# Altium PCB Clock-v1.0.PcbDoc (part 2 of 2)
Units mil, origin at the board's own origin, x right, y up, seen from the top; angles counter-clockwise.
Board outline 3346.46 x 2559.06 mil, 2 copper layers (Top Layer, Bottom Layer), stack 57 mil thick; 99 components, 70 nets, 399 pads, 171 vias.
Unrouted connection lines stored in the file: 143.
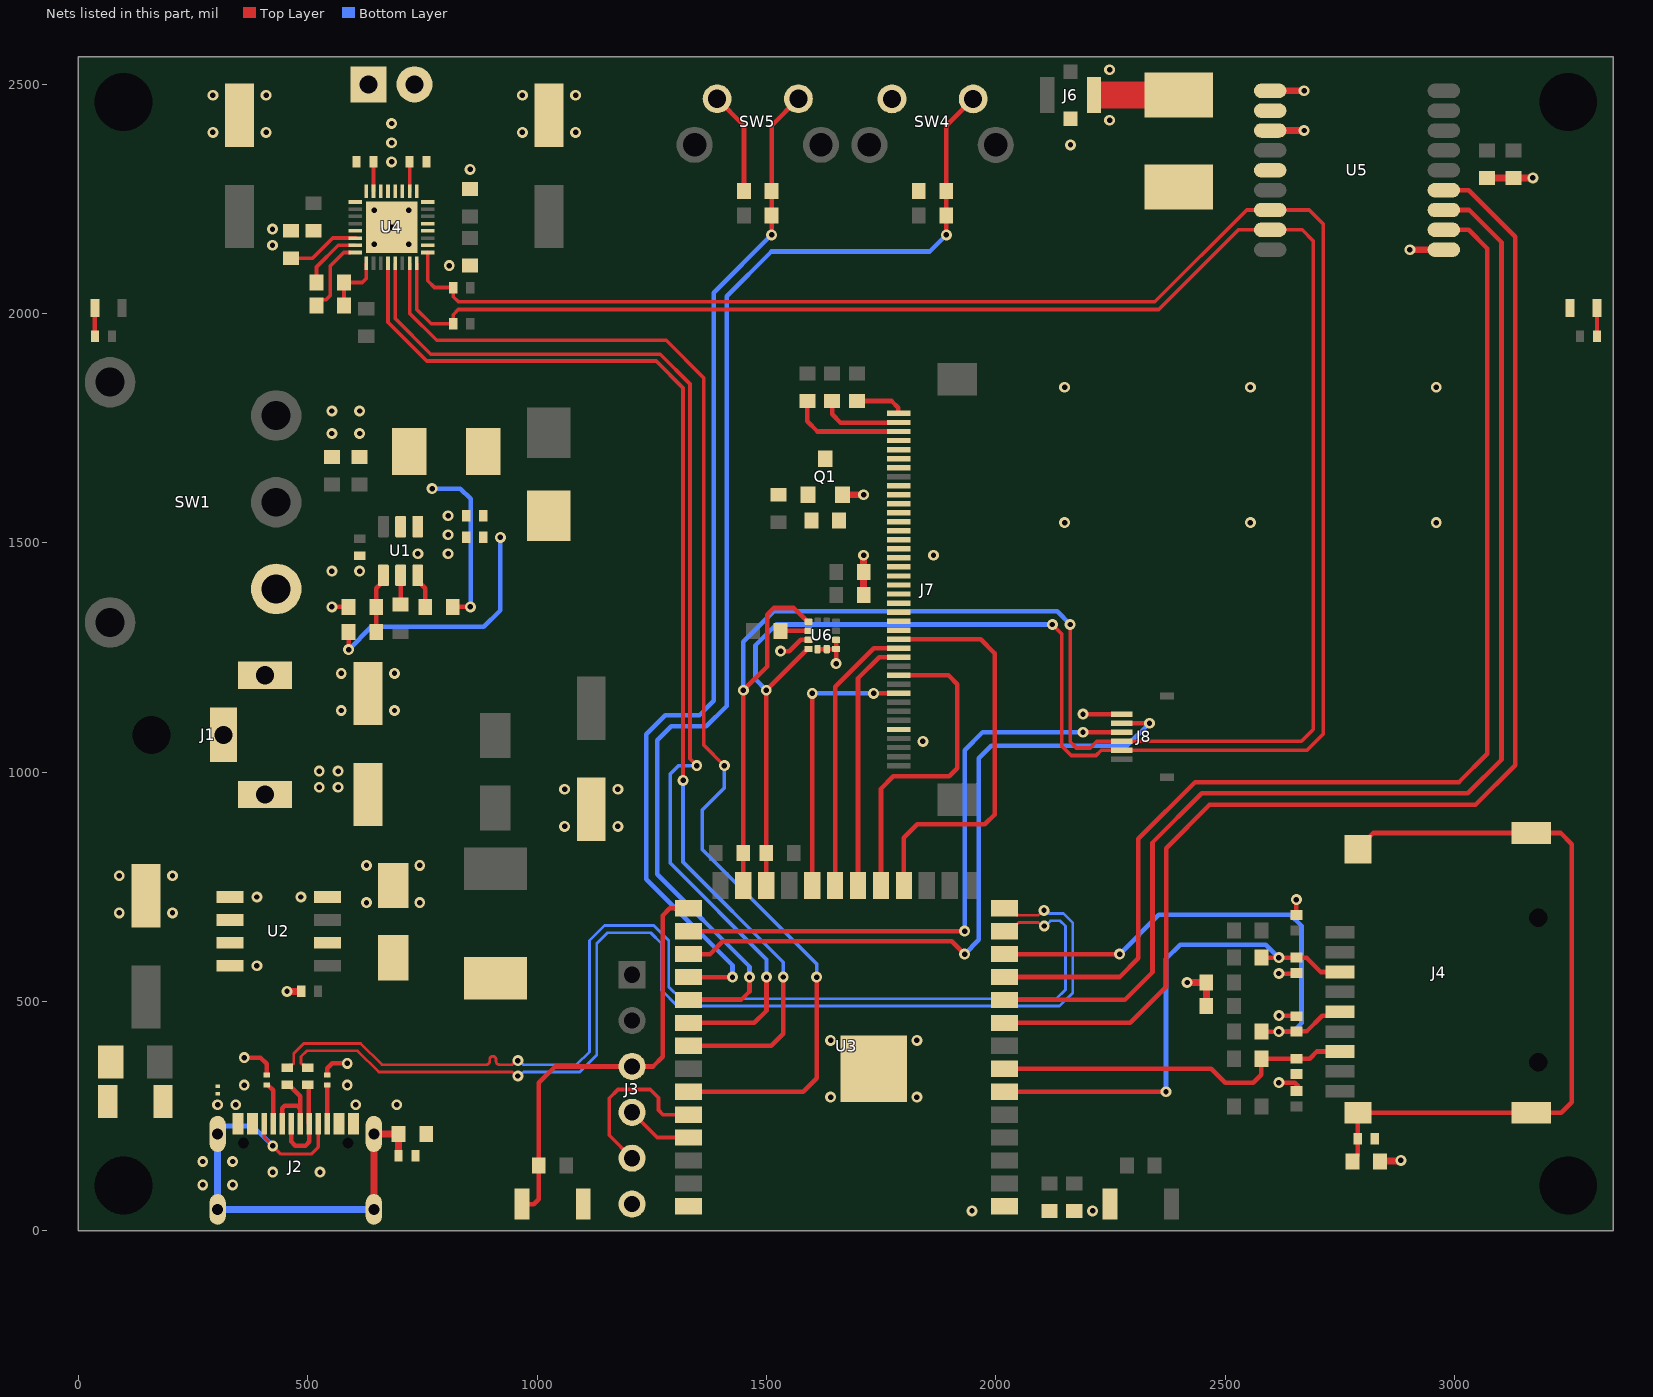
[diagram p2: the nets of this part, all layers, seen from the top]

## Via types
v1: diameter 23.62, hole 11.81, Top Layer to Bottom Layer, 171 vias

## Nets (pads, with @x,y where several pads share a name; then routed paths per layer and width w, separated by ;. In a path a pad name is that pad's centre, name@x,y a point inside that pad or via, vN(x,y) a via of type N, cw(c..) or ccw(c..) an arc to the next point about the centre after c; other vN are vias at no path point) (continued)
GND: C2.2 C3.1 C4.1 C5.1 C6.1 C7.2 C8.1 C9.1 C10.2 C11.1 C12.1 C13.1 C14.2 C16.2 C18.2 C21.2 C22.2 C23.1 C24.1 C25.1 C26.2 C27.2 C28.1 C29.1 C30.1 C31.1 C32.2 D1.2 D2.2 D5.2 D6.2 D7.2 D8.2 D9.2 J1.2 J1.3 J2.A1/B12 J2.B1/A12 J3.6 J6.2 J7.5 J7.16 J7.17 J7.18 J7.19 J7.20 J7.21 J7.22 J7.23 J7.24 J7.25 J7.26 J7.27 J7.28 J7.29 J7.30 J7.31 J7.32 J7.37 J8.6 LED2.2 Q1.2 R3.1 R6.1 R7.1 R8.1 R29.1 R31.2 SW2.1 SW3.1 SW4.2 SW5.2 U1.1 U2.4 U2.5 U2.6 U2.7 U2.8 U3.1 U3.40 U3.41 U4.10 U4.12 U4.13 U4.19 U4.20 U4.21 U4.22 U4.29 U4.33 U5.1 U5.10 U5.12 U6.3 U6.5 U6.6 U6.7 U6.8 | length 1435.9
  Top Layer w10: v1(361.59,377.6) 396.98,377.6 410.8,363.77 R6.1@410.8,339.65 ; R7.1@542.69,339.65 542.69,354.41 553.3,365.01 v1(586,365.01) ; v1(552.5,1360.2) R3.1@589,1360.2 ; SW5.2@1392.45,2467.88 1451.04,2409.3 C29.1@1451.04,2266.88 ; v1(1530.7,1263.67) 1549.94,1263.67 1574.45,1288.18 U6.3@1591.62,1288.18 ; U6.5@1611.6,1268.2 1651.56,1268.2 U6.7@1651.86,1268.49 ; v1(1651.86,1236.58) U6.7@1651.86,1268.49 ; U6.8@1651.86,1288.18 U6.7@1651.86,1268.49 ; v1(2190,1126.3) J8.6@2274.48,1126.3 ; v1(2617.14,323) 2651.75,323 2659.68,315.08 ; v1(2617.38,469.03) 2618.08,468.33 2654.58,468.33 D7.2@2655.28,467.64 ; v1@2617.38,560.69 2653.87,560.69 D6.2@2655.28,562.09 ; D5.2@2655.28,688.11 v1(2655.28,722)
  Top Layer w15: v1(454.72,522) C9.1@485.5,522 ; Q1.2@1665.4,1604.69 v1(1711.86,1604.69) ; C26.2@1711.86,1385.86 v1(1711.86,1472.8) ; v1(2417,541.31) C31.1@2459,541.31 C30.1@2459,490.31 ; U5.12@2598,2398.66 v1(2672,2398.66) ; U5.10@2598,2485.27 v1(2672,2485.27) ; C32.2@2836.2,153.48 C32.2@2837.44,152.25 ; C32.2@2837.8,151 2837.8,151.89 C32.2@2837.44,152.25 ; v1(2883,153.5) 2881.75,152.25 C32.2@2837.44,152.25 ; v1(2902.85,2138.82) U5.1@2976.85,2138.82 ; C25.1@3071,2295.35 C24.1@3129,2295.35 v1(3171,2295.35)
  other v1: 1948,43.2 2211,43.2 271.04,100 336,100 271.04,151 336,151 303.52,274.77 343,274.77 604.59,274.77 694.07,274.77 1639.72,291.41 1828,291.41 1639.72,415 1828,415 2617.14,560.94 389,577.66 89,693 205,693 628,715.5 744,715.5 389,727.66 485.01,727.66 89,774 205,774 628,796.5 744,796.5 1060,881.53 1176,881.53 1060,962.53 1176,962.53 1841,1066.93 573,1134.2 689,1134.2 573,1215.2 689,1215.2 552.5,1438.2 613,1438.2 1864.19,1472.8 740,1476 806,1476 806,1517.41 2150,1544 2555,1544 2960,1544 806,1558.83 552.5,1738.21 613,1738.21 552.5,1787.18 613,1787.18 2150,1839 2555,1839 2960,1839 808.57,2104.18 423,2148.43 645,2150.61 720.24,2150.61 423,2183.87 682.62,2187.8 645,2225 720.24,2225 854,2314 682.62,2330.36 2162.81,2367.29 682.62,2372.18 293,2394.66 409,2394.66 968,2394.66 1084,2394.66 682.62,2414 2248,2421 293,2475.66 409,2475.66 968,2475.66 1084,2475.66 2248,2531
INT: J8.4 U3.28 | length 1355.3
  Top Layer w10: U3.28@1330.32,653.2 v1(1931.89,653.2) ; v1(2190,1086.93) J8.4@2274.79,1086.93
  Bottom Layer w10: v1(1931.89,653.2) 1931.89,1047.76 1971.06,1086.93 v1(2190,1086.93)
IO0: J3.3 R10.1 SW3.2 U3.27 | length 959.9
  Top Layer w10: SW3.2@966.68,58.2 992.91,58.2 1003.61,68.9 R10.1@1003.61,142.2 1003.61,322.33 1039.49,358.2 J3.3@1207,358.2 1252.67,358.2 1273.54,379.08 1273.54,687.37 1289.37,703.2 U3.27@1330.32,703.2
IPPS: U3.9 U5.4 | length 2872.6
  Top Layer w10: U3.9@2019.29,453.2 2292.86,453.2 2371.51,531.85 2371.51,833.97 2465.89,928.35 3045.82,928.35 3132.33,1014.85 3132.33,2167.36 3030.94,2268.74 U5.4@2976.85,2268.74
LRCLK: U3.33 U4.4 | length 2546.5
  Top Layer w8: U4.4@674.75,2109.06 674.75,1980.71 759.29,1896.16 1259.41,1896.16 1318.09,1837.48 v1(1318.09,981.78)
  Top Layer w10: U3.33@1330.32,403.2 1510.2,403.2 1536.39,429.39 v1(1536.39,553.19)
  Bottom Layer w8: v1(1318.09,981.78) 1318.09,803.91 1536.39,585.6 v1(1536.39,553.19)
MCLK: U3.32 U4.5 | length 2509.7
  Top Layer w8: U4.5@690.5,2109.06 690.5,1988.75 768.08,1911.16 1268.2,1911.16 1333.09,1846.27 1333.09,1029.02 v1(1348.09,1014.02)
  Top Layer w10: U3.32@1330.32,453.2 1473.2,453.2 1500,480 v1(1500,553)
  Bottom Layer w8: v1(1348.09,1014.02) 1308.02,1014.02 1290,996 1290,801.64 1500,591.64 v1(1500,553)
MISO: D8.1 J4.7 R14.2 U3.7 | length 791.6
  Top Layer w10: U3.7@2019.29,353.2 2469.57,353.2 2499.78,323 2561.61,323 2579,340.39 R14.2@2579,375.07 D8.1@2655.28,375.07 2684.07,375.07 2699.87,390.87 J4.7@2749.93,390.87
MOSI: D6.1 J4.3 R12.2 U3.6 | length 1094
  Top Layer w10: U3.6@2019.29,303.2 v1(2371,303.2) ; R12.2@2579,595.56 v1(2617.14,595.56) D6.1@2655.28,595.56 ; D6.1@2657.29,595.55 2657.84,595 2677.41,595 2708.31,564.09 J4.3@2749.93,564.09
  Bottom Layer w10: v1(2371,303.2) 2371,592.76 2402.16,623.92 2588.78,623.92 v1(2617.14,595.56)
NetC1_1: C1.1 U1.6 | length 75.6
  Top Layer w10: U1.6@739.8,1428.91 739.8,1417.09 746.62,1410.28 756,1400.9 C1.1@756,1360
NetC1_2: C1.2 L1.1 U1.2 | length 367.6
  Top Layer w10: C1.2@816,1360 v1(854.36,1360)
  Bottom Layer w10: v1(771,1618) 832.71,1618 855,1595.71 855,1360.64 v1(854.36,1360)
NetC3_2: C3.2 C4.2 D3.1 L1.2 R2.2 | length 563.5
  Top Layer w10: v1(589,1267) R2.2@589,1305.2
  Bottom Layer w10: v1(589,1267) 638.61,1316.61 884,1316.61 919.77,1352.38 v1(919.77,1511.58)
NetC14_1: C14.1 U4.30 | length 159.2
  Top Layer w8: C14.1@463,2120 510.49,2120 554.68,2164.18 U4.30@603.88,2164.18
NetC15_1: C15.1 C17.1 U4.1 | length 135.1
  Top Layer w8: C17.1@579,2017.32 C15.1@579,2067.32 618.65,2067.32 627.5,2076.18 U4.1@627.5,2109.06
NetC15_2: C15.2 U4.31 | length 138.2
  Top Layer w8: C15.2@519,2067.32 519,2100.97 566.46,2148.43 U4.31@603.88,2148.43
NetC17_2: C17.2 U4.32 | length 160.5
  Top Layer w8: C17.2@519,2017.32 519,2018.91 530,2029.91 539.88,2029.91 548.95,2038.98 548.95,2103.31 578.27,2132.62 U4.32@593.12,2132.62
NetC19_1: C19.1 U4.23 | length 63.8
  Top Layer w8: U4.23@643.25,2266.54 C19.1@643.25,2330.36
NetC20_1: C20.1 U4.18 | length 63.8
  Top Layer w8: U4.18@721.99,2266.54 C20.1@721.99,2330.36
NetC32_1: C32.1 J4.S1 J4.S2 J4.S3 J4.S4 R31.1 | length 1642.3
  Top Layer w10: C32.1@2777.8,151 2777.8,153.5 2789.3,165 R31.1@2789.3,201 J4.S1@2789.3,257.01 J4.S2@3167.25,257.01 3232.79,257.01 3255.9,280.11 3255.9,842.94 3231.59,867.24 J4.S3@3167.25,867.24 2822.76,867.24 2789.3,833.78 J4.S4@2789.3,831.81
NetD1_1: D1.1 F1.1 J2.A4/B9 J2.B4/A9
  other v1: 423.64,128 526.59,128 361.59,317.69 586,317.69
NetD2_1: D2.1 L2.1 U2.2
NetF1_2: F1.2 FB1.1
NetJ2_A5: J2.A5 R6.2 | length 88.9
  Top Layer w10: R6.2@413.09,317.69 424.58,306.19 J2.A5@424.58,233.5
NetJ2_A6: J2.A6 J2.B6 R5.1 | length 210.8
  Top Layer w10: J2.A6@463.95,233.5 463.95,194.63 472.82,185.77 495,185.77 503.32,194.09 J2.B6@503.32,233.5 ; R5.1@500,318.5 502.42,316.08 J2.B6@502.42,233.5
NetJ2_A7: J2.A7 J2.B7 R4.1 | length 177.7
  Top Layer w10: J2.B7@444.27,233.5 443.98,233.79 443.98,266.98 450,273 476.45,273 483.64,265.81 ; R4.1@454.72,318.5 458.22,318.5 483.64,293.09 483.64,265.81 ; J2.A7@483.64,233.5 483.64,265.81
NetJ2_B5: J2.B5 R7.2 | length 84.5
  Top Layer w10: J2.B5@542.69,233.5 R7.2@542.69,318
NetJ6_1: J6.1 L3.2 U5.11 | length 177.2
  Top Layer w7: J6.1@2214,2476 J6.1@2229.31,2476
  Top Layer w58.68: J6.1@2229.31,2476 2229.7,2476.39 L3.2@2391,2476.39
NetJ7_34: J7.34 J7.35 J7.36 Q1.3
NetJ7_38: J7.38 R24.1 | length 252.5
  Top Layer w10: R24.1@1589,1809 1589,1764.73 1611.24,1742.49 J7.38@1788.02,1742.49
NetJ7_39: J7.39 R25.1 | length 181
  Top Layer w10: R25.1@1643,1809 1643,1780.15 1661.3,1761.86 J7.39@1787.56,1761.86
NetJ7_40: J7.40 R26.1 | length 108.6
  Top Layer w10: R26.1@1697.5,1809 1772.56,1809 1787.56,1794 1787.56,1782.32 J7.40@1788.02,1781.86
NetL3_1: L3.1 U5.14
NetLED1_1: LED1.1 R20.2 | length 62
  Top Layer w10: R20.2@35.94,1950 LED1.1@35.94,2012
NetLED2_1: LED2.1 R27.1 | length 62
  Top Layer w8: R27.1@3310.53,1950 LED2.1@3310.53,2012
NetQ1_1: Q1.1 R28.2 R29.2
NetR1_1: R1.1 U1.5 | length 63.7
  Top Layer w10: R1.1@702.4,1365.2 U1.5@702.4,1428.91
NetR23_1: R23.1 U6.2 | length 60.9
  Top Layer w10: R23.1@1530.7,1307.86 U6.2@1591.62,1307.86
RESET: J7.15 U3.18 | length 896.7
  Top Layer w10: J7.15@1788.02,1289.73 1966.93,1289.73 1997.23,1259.43 1997.23,907.28 1975.95,886 1829,886 1799.61,856.61 U3.18@1799.61,752.42
RST: J8.5 U3.29 | length 1528.2
  Top Layer w10: U3.29@1330.32,603.2 1376.9,603.2 1404.69,631 1904.1,631 v1(1931.89,603.2) ; J8.5@2274.79,1106.62 v1(2335,1106.62)
  Bottom Layer w10: v1(1931.89,603.2) 1963,634.31 1963,1030 1990,1057 2285.38,1057 v1(2335,1106.62)
RX: U3.10 U5.3 | length 2748.5
  Top Layer w10: U3.10@2019.29,503.2 2281.3,503.2 2341.56,563.46 2341.56,846.38 2449.06,953.89 3029,953.89 3102.37,1027.26 3102.37,2155.38 3032.33,2225.43 U5.3@2976.85,2225.43
RXD0: J3.5 U3.36 | length 371
  Top Layer w8: J3.5@1207,158.2 1157,208.21 1157,288.87 1176.08,307.94 1246.7,307.94 1264.61,290.04 1264.61,263.13 1274.53,253.2 U3.36@1330.32,253.2
SCL: J8.3 R16.2 R21.2 U3.25 U4.8 U5.17 U6.1 | length 5625
  Top Layer w8: U4.8@737.74,2109.06 737.74,2008.5 768.92,1977.32 R21.2@817,1977.32 817,1997.12 828.26,2008.38 2355.38,2008.38 2529.12,2182.12 U5.17@2598,2182.12 2667.88,2182.12 2692,2158 2692,1093.06 2666.19,1067.25 J8.3@2274.79,1067.25 2220.25,1067.25 2205.67,1052.67 2175.61,1052.67 2162,1066.29 v1(2162,1321.72)
  Top Layer w10: U3.25@1449.61,752.42 R16.2@1449.61,823.2 v1(1449.61,1178.45) 1501.39,1230.23 1501.39,1343.26 1515.92,1357.79 1559.41,1357.79 1589.65,1327.55 U6.1@1591.62,1327.55
  Bottom Layer w10: v1(1449.61,1178.45) 1449.61,1283.73 1516.1,1350.22 2133.5,1350.22 v1(2162,1321.72)
SCLK: D7.1 J4.5 R13.2 U3.12 | length 1150.4
  Top Layer w10: U3.12@2019.29,603.2 v1(2269.79,603.2) ; R13.2@2579,434.17 v1(2617.14,434.17) D7.1@2655.28,434.17 2655.66,434.55 2677.41,434.55 2711.89,469.03 2741.48,469.03 J4.5@2749.93,477.48
  Bottom Layer w10: v1(2269.79,603.2) 2355.58,689 2642,689 2666.35,664.65 2666.35,452.58 2647.94,434.17 v1(2617.14,434.17)
SDA: J8.2 R22.2 R30.2 U3.24 U4.9 U5.16 U6.4 | length 5452.7
  Top Layer w8: U4.9@761.36,2132.69 761.36,2071.09 776.13,2056.32 R22.2@817,2056.32 817.01,2036.51 828.34,2025.18 2346.54,2025.18 2546.79,2225.43 U5.16@2598,2225.43 2683.49,2225.43 2713.53,2195.39 2713.53,1082.75 2678.35,1047.56 J8.2@2274.79,1047.56 2229.96,1047.56 2218.47,1036.07 2164.52,1036.07 2143.88,1056.71 2143.88,1301.11 v1(2123.26,1321.72)
  Top Layer w10: U3.24@1499.61,752.42 R30.2@1499.61,823.2 v1(1499.61,1178.45) 1538.06,1216.9 1587.76,1266.6 1589.65,1268.49 U6.4@1591.62,1268.49
  Bottom Layer w10: v1(1499.61,1178.45) 1476,1202.05 1476,1276.51 1521.21,1321.72 v1(2123.26,1321.72)
SDIN: U3.35 U4.7 | length 2768.3
  Top Layer w8: U4.7@721.99,2109.06 721.99,2000.34 781.17,1941.16 1281.29,1941.16 1363.09,1859.36 1363.09,1059.14 v1(1408.21,1014.02)
  Top Layer w10: U3.35@1330.32,303.2 1580.2,303.2 1609.39,332.39 v1(1609.39,553)
  Bottom Layer w8: v1(1408.21,1014.02) 1408.21,965.45 1360.04,917.27 1360.04,831.16 1609.39,581.8 v1(1609.39,553)
Shell_: C11.2 J2.A8 J2.B8 J2.S1 J2.S2 J2.S3 J2.S4 R8.2 | length 1141.2
  Top Layer w7: J2.B8@404.9,233.5 405.1,233.3 405.1,203.48 v1(423.64,184.94) 441.33,167.26 507.77,167.26 523.01,182.5 J2.A8@523.01,233.5
  Top Layer w15: J2.S2@644.07,46.5 J2.S1@644.07,211.06 C11.2@698,211.06 R8.2@698,163.85
  Bottom Layer w10: J2.S4@303.52,211.06 303.52,219.06 312.96,228.5 380.09,228.5 v1(423.64,184.94)
  Bottom Layer w15: J2.S4@303.52,211.06 J2.S3@303.52,46.5 J2.S2@644.07,46.5
SP_N: C20.2 J5.2 U4.16 U4.17
SP_P: C19.2 J5.1 U4.24 U4.25
SPI_CS: J7.9 U3.22 | length 607.1
  Top Layer w10: U3.22@1599.87,752.69 v1(1599.87,1171.62) ; v1(1733.54,1171.62) J7.9@1788.02,1171.62
  Bottom Layer w10: v1(1599.87,1171.62) v1(1733.54,1171.62)
SPI_SCK: J7.11 U3.19 | length 715.6
  Top Layer w10: U3.19@1749.61,752.42 1749.61,963.73 1776.5,990.63 1898.37,990.63 1915.98,1008.24 1915.98,1191.84 1896.83,1210.99 J7.11@1788.02,1210.99
SPI_SDI: J7.13 U3.20 | length 559.4
  Top Layer w10: U3.20@1699.61,752.42 1699.61,1204.42 1745.55,1250.36 J7.13@1788.02,1250.36
SPI_SDO: J7.14 U3.21 | length 606.9
  Top Layer w10: U3.21@1649.61,752.42 1649.61,1186.11 1733.54,1270.05 J7.14@1788.02,1270.05
TX: U3.11 U5.2 | length 2619.4
  Top Layer w10: U3.11@2019.29,553.2 2269.79,553.2 2310.71,594.13 2310.71,854.48 2434.49,978.26 3009.75,978.26 3071.53,1040.04 3071.53,2141.53 3030.93,2182.12 U5.2@2976.85,2182.12
TXD0: J3.4 U3.37 | length 146.1
  Top Layer w8: J3.4@1207,258.2 1262,203.2 U3.37@1330.32,203.2
USB_N: R4.2 U3.13 | length 2476.9
  Top Layer w6: R4.2@454.72,355.5 460.72,361.5 465.85,361.5 469.36,365.01 469.36,386.57 491.15,408.35 615.27,408.35 661.44,362.19 886.56,362.19 889.56,362.19 ccw(c889.56,369.19) 896.56,369.19 896.56,373.39 cw(c903.56,373.39) 910.56,373.39 910.56,369.19 ccw(c917.56,369.19) 917.56,362.19 941.45,362.19 945.67,362.19 954.49,371 v1(958,371) ; U3.13@2019.29,653.2 2031.1,653.2 2046.22,668.32 2046.22,668.58 2049.73,672.09 2093.12,672.09 2100.76,664.46 v1(2105.45,664.46)
  Bottom Layer w6: v1(958,371) 961.51,371 970.33,362.19 1086.19,362.19 1114,390 1114,633 1146.69,665.69 1254.29,665.69 1286.97,633 1286.97,531.19 1312.16,506 2132.39,506 2151.91,525.52 2151.91,664.21 2140.5,675.62 2118.83,675.62 2108.75,665.54 2108.75,664.46 v1(2105.45,664.46)
USB_P: R5.2 U3.14 | length 2476
  Top Layer w6: R5.2@500,355.5 494,361.5 488.88,361.5 485.36,365.01 485.36,379.94 497.78,392.35 608.65,392.35 654.81,346.19 945.67,346.19 954.49,337.38 v1(958,337.38) ; U3.14@2019.29,703.2 2031.1,703.2 2045.82,688.49 2048.94,688.49 2049.33,688.09 2092.64,688.09 2103.05,698.51 v1(2104.96,698.51)
  Bottom Layer w6: v1(958,337.38) 961.51,337.38 970.33,346.19 1092.82,346.19 1130,383.37 1130,626.37 1153.31,649.69 1247.66,649.69 1270.97,626.37 1270.97,524.56 1305.53,490 2139.02,490 2167.91,518.89 2167.91,670.84 2147.13,691.62 2116.62,691.62 2109.73,698.51 v1(2104.96,698.51)
VFB: R2.1 R3.2 U1.4 | length 130.3
  Top Layer w10: R2.1@649,1305.2 649,1401.09 665,1417.09 U1.4@665,1428.91
VIN: C2.1 J1.4 SW1.1
  other v1: 525,967 566,967 525,1002 566,1002
VOL_DN: C28.2 R17.1 SW4.1 U3.31 | length 2701.6
  Top Layer w10: U3.31@1330.32,503.2 1444.5,503.2 1463,521.71 v1(1463,553) ; v1(1892.12,2171) R17.1@1892.12,2213.69 C28.2@1892.12,2266.69 1892.12,2409.1 SW4.1@1950.7,2467.69
  Bottom Layer w10: v1(1463,553) 1463,576.04 1262,777.04 1262,1069.19 1292.51,1099.7 1368.66,1099.7 1413,1144.03 1413,2037 1511,2135 1856.12,2135 v1(1892.12,2171)
VOL_UP: C29.2 R18.1 SW5.1 U3.30 | length 2269
  Top Layer w10: U3.30@1330.52,553 v1(1426,553) ; v1(1511.04,2171.2) R18.1@1511.04,2213.88 C29.2@1511.04,2266.88 1511.04,2409.3 SW5.1@1569.62,2467.88
  Bottom Layer w10: v1(1426,553) 1426,578.89 1238.19,766.7 1238.19,1082.6 1279.59,1124 1353.93,1124 1385.12,1155.19 1385.12,2045.28 v1(1511.04,2171.2)
pads on no net: J1.MH J2.MH J4.1 J4.6 J4.8 J4.MH J4.MH1 J6.3 J6.4 J7.1 J7.2 J7.3 J7.4 J7.8 J7.MP1 J7.MP2 J8.MP1 J8.MP2 SW1.3 SW1.4 SW1.5 SW4.3 SW5.3 U3.15 U3.16 U3.23 U3.26 U3.38 U3.39 U4.3 U5.5 U5.7 U5.9 U5.13 U5.15 U5.18 U6.11 U6.12

## Polygon pours and split planes (outlines as drawn)
GND on Top Layer "NONET_L01_P018" (solid, remove dead copper, shelved, pour order 18): 26,23 3324,23 3324,2536 26,2536
SP_N on Top Layer "SP_N_L01_P014" (solid, pour order 14): 733.8,2281.31 733.8,2251.78 741.68,2251.78 746.6,2246.86 746.6,2238.98 785.23,2238.98 805.24,2259 805.24,2545 693.25,2545 693.25,2437.99 740.49,2390.75 740.49,2288
SP_P on Top Layer "SP_P_L01_P013" (solid, pour order 13): 631.44,2281.31 631.44,2251.78 623.57,2251.78 618.65,2246.86 618.65,2238.98 580.02,2238.98 560,2259 560,2545 671.99,2545 671.99,2437.99 624.75,2390.75 624.75,2288
+12V on Top Layer "NONET_L-01_P-001" (solid, pour order 12): 931,2314 915.4,2298.4 915.4,2241.4 807.4,2241.4 797.11,2231.11 746.6,2231.11 746.6,2207.49 797.51,2207.49 808.57,2196.43 914.82,2196.43 968.72,2142.53 1101,2142.53 1101,2314
+12V on Top Layer "NONET_L-01_P-001" (solid, pour order 11): 572.89,2231.11 549,2255 549,2306 278,2306 278,2142.53 398,2142.53 398,2201 404.49,2207.49 534,2207.49 549.75,2191.74 618.65,2191.74 618.65,2231.11
NetD2_1 on Top Layer "NONET_L-01_P-001" (solid, pour order 9): 514,605 514,647 1020,647 1038,629 1038,491 1024,477 640,477 631,486 631,591 617,605
+5V on Top Layer "NONET_L-01_P-001" (solid, pour order 8): 244,415.02 274.98,446 572,446 593,467 593,580 582.54,590.46 513.78,590.46 513.78,557.07 513.78,496 275,496 244,527 244,603 233,614 83,614 72,603 72,432 79,425 140,425 149.98,415.02 149.98,332.17 216.5,332.17 244,359.67
NetJ6_1 on Top Layer "NONET_L-01_P-001" (solid, pour order 7): 2637,2460 2490.49,2460 2479,2471.49 2479,2526 2472,2533 2295,2533 2287,2525 2287,2415.07 2298.07,2404 2480.56,2404 2500.56,2424 2637,2424 2641.5,2428.5 2641.5,2455.5
NetL3_1 on Top Layer "NONET_L-01_P-001" (solid, pour order 6): 2287,2225 2296,2216 2471,2216 2479,2224 2479,2286 2489,2296 2638,2296 2644,2302 2644,2323 2639,2328 2299,2328 2287,2316
NetD1_1 on Top Layer "NONET_L-01_P-001" (solid, pour order 5): 580.09,279.54 609,308.45 609,331.42 603.42,337 574.19,337 568.75,331.56 568.75,306.66 556.47,294.38 556.47,201.88 521.59,167 427.31,167 391.12,203.19 391.12,293.09 391.12,333.16 368.78,355.5 262.5,355.5 224.83,317.83 163.29,317.83 163.29,231.71 173,222 260,222 269,231 269,296 283.81,310.81 349.19,310.81 367.5,292.5 367.5,79.96 385.21,62.25 567.57,62.25 580.09,74.77
NetC3_2 on Top Layer "NETC3_2_L01_P003" (solid, pour order 3): 847.36,1782 836.36,1771 836.36,1602.99 852.42,1586.93 873.36,1586.93 873.36,1491.06 882.36,1482.06 1064.3,1482.06 1072.25,1490 1072.25,1613.94 956.06,1613.94 948,1622 948,1773 939,1782
+12V on Top Layer "+12V_L01_P001" (solid, pour order 1): 354,1499.08 354,1657.18 650,1657.18 650,1578 650,1558.83 676.81,1558.83 676.81,1504.81 671.08,1499.08
NetC1_2 on Top Layer "NETC1_2_L01_P000" (solid, pour order 0): 787,1599 774.93,1586.93 738.93,1586.93 715.82,1563.82 715.82,1514.13 713.01,1511.32 690.89,1511.32 688.18,1514.03 688.18,1563.82 671.08,1580.92 671.08,1771.08 682,1782 777.06,1782 787,1772.06
+3V3 on Bottom Layer "+3V3_L02_P021" (solid, pour order 21): 1376.99,886.99 1376.99,905.38 1389.61,918 1681,918 1705,942 1705,1108 1876,1279 2174,1279 2190,1295 2190,1357 2170.14,1376.86 1491.14,1376.86 1446,1422 1446,2021.91 1529.09,2105 1897,2105 1925,2133 1925,2191 1916,2200 1880,2200 1838,2158 1576,2158 1536.91,2197.09 1501.09,2197.09 1462,2158 1265,2158 1212,2105 1212,1575 1199,1562 1122,1562 1103,1581 1103,2215 1139,2251 1968.81,2251 1989,2230.81 1989,2035 1969,2015 1560,2015 1532,1987 1532,1746 3321,1746 3321,1583 1775,1583 1732,1626 1686,1626 1672,1612 1533.31,1612 1504,1582.69 1504,1469 1519,1454 2236,1454 2256,1434 2256,1245 2232,1221 1959,1221 1785,1047 1785,856 1759,830 1386,830 1376.99,839.01
+3V3 on Bottom Layer "+3V3_L02_P020" (solid, pour order 20): 3199,2317 3214,2302 3214,326 3186,298 3034,298 3006,270 3006,146 2981,121 2616,121 2595,142 2595,517 2584,528 2499,528 2489,518 2489,214 2469,194 2187,194 2172,179 2172,121 2187,106 2253,106 2263,96 2263,30 2278,15 3134,15 3161,42 3161,177 3181,197 3294,197 3321,224 3321,2351 3297,2375 3125,2375 3116,2366 3116,2325 3124,2317
GND on Bottom Layer "NONET_L02_P017" (solid, remove dead copper, shelved, pour order 17): 26,23 3324,23 3324,2536 26,2536
+12V on Bottom Layer "+12V_L02_P016" (solid, pour order 16): 301,2101 320,2082 848,2082 887,2121 887,2300 901,2314 968,2314 982,2300 982,2032 948,1998 314,1998 301,1985 301,1694 323,1672 324,1673 488.42,1673 510.55,1650.87 510.55,1521.33 486.22,1497 197,1497 168,1526 168,2288 192,2312 449,2312 460,2301 460,2222 449,2211 326,2211 301,2186
NetD1_1 on Bottom Layer "NETD1_1_L02_P015" (solid, pour order 15): 537.5,158 543,152.5 543,104.5 537.5,99 410,99 403,106 403,151 410,158 437,158 445.45,166.45 445.45,211.06 431.64,211.06 416,226.7 416,292 406,302 350,302 343,309 343,336 348,341 605,341 611,335 611,305 605,299 511,299 502,290 502,167 511,158
VIN on Bottom Layer "VIN_L02_P004" (solid, pour order 4): 384,1038 575,1038 588,1025 588,910 575,897 39,897 19,917 19,1449 39,1469 484,1469 503,1450 503,1298 489,1284 276,1284 253,1261 253,1024 273,1004 350,1004

## Other copper
Top Layer:
  rectangle net GND: 2229.75,2523.37 2278.84,2545
  rectangle net GND: 529.5,2175.99 626.65,2183.74
  rectangle net GND: 746.6,2144.62 828.5,2152.37
  rectangle net +3V3: 1762.43,1106.66 1862,1138.16
  rectangle net +3V3: 3264.53,1937.5 3287.11,1964.37
  rectangle net +3V3: 977.76,1684.81 1249,1795.05
  rectangle net +3V3: 1119,1030.27 1249,1795.05
  rectangle net +3V3: 2153.5,85.49 2188.5,159.7
  rectangle net +3V3: 2153.5,124.7 2301,159.7
  rectangle net +3V3: 801,1030.27 1249,1208.13
  rectangle net FB: 801,742.74 1014,971.21
  rectangle net NetF1_2: 14.79,222 110.34,403.83
  rectangle net +3V3: 1989.76,85.49 2188.5,120.92
  rectangle net +3V3: 2504,357.57 2534,672.15
  rectangle net GND: 2642.28,293.43 2668.27,352.43
  rectangle net +3V3: 2504,472.81 2566,558.81
  rectangle net NetQ1_1: 1508.5,1589.69 1613,1622.8
  rectangle net NetQ1_1: 1574.46,1531.36 1613,1622.8
  rectangle net NetJ7_34: 1611.86,1659 1813.61,1708
  rectangle net VIN: 354,1326 504,1469
  rectangle net VIN: 389,882 662.5,1019.87
  rectangle net VIN: 339,882 662.5,999
  pour cut-out: 2324.11,116.7 2307.89,116.7 2307.89,133.43 2324.11,133.43
  pour cut-out: 2712.3,359.23 2676.27,359.23 2676.27,367.95 2712.3,367.95
  pour cut-out: 2563.66,455.52 2563.66,471.74 2572.39,471.74 2572.39,455.52
  pour cut-out: 2583.84,557.44 2583.84,573.67 2592.57,573.67 2592.57,557.44
  pour cut-out: 2496,629.25 2542,629.25 2542,620.53 2496,620.53
  pour cut-out: 2556,629.02 2584.14,629.02 2584.14,620.3 2556,620.3
  pour cut-out: 795.24,2199.33 799.07,2199.33 799.07,2178.59 795.24,2178.59
  pour cut-out: 933.65,2148.83 958.22,2148.83 958.22,2140.11 933.65,2140.11
  pour cut-out: 57.36,2039.68 73.59,2039.68 73.59,2022.96 57.36,2022.96
  pour cut-out: 488.5,2105.73 504.73,2105.73 504.73,2097 488.5,2097
  pour cut-out: 535,1388.2 535,1330.7 634,1330.7 634,1388.2
Bottom Layer:
  rectangle net +3V3: 3214,1476 3321,1972

## Silkscreen, mask and mechanical layers (free items; w line width, h text height)
Top Overlay:
  lines w5: 359,2101 359,2114 439.5,2114 372,2114 ; 779.97,1879 760.68,1879 760.68,2056.32 804.5,2056.32 ; 819.5,1381 819.5,1392.5 909,1392.5 ; 894.86,1558.83 930.59,1558.83 948,1541.42 948,1496 ; 1562,1428 1575,1415 1632.86,1415 ; 1570.56,1385.86 1632.86,1385.86 ; 2637.28,255.52 2637.28,234.54 2687,234.54 2687,750 2637.28,750 2637.28,703.38 ; 2637.28,482.91 2637.28,546.83 ; 2662,783 2662.14,782.86 2662.14,750 ; 2631,783 2693,783 2693,1207 2631,1207 2631,783
  text "SP+" at 425.24,2474.85 h49
  text "SP-" at 784.99,2474.85 h49
  text "GPS" at 2593.48,2055.53 h49
  text "AMP Status" at 19.81,2038.11 h47.24
  text "3v3 PWR" at 3052.28,2038.11 h47.24
  text "GYRO" at 1723.47,1180.25 h49 r90
  text "DISPLAY FLEX CABLE" at 2098.47,1127.1 h49 r90
  text "SD CARD" at 2763.6,900.7 h47.24
  text "TOUCH FLEX CABLE" at 2466.47,806.19 h49 r90
  text "PROGAMMING" at 1153.34,120.39 h47.24 r90
  text "RESET" at 753.46,33.74 h47.24
  text "ENABLE" at 2405.85,33.74 h47.24
Bottom Overlay:
  text "Rev-v1.0" at 1840.61,59.51 h49
Board Outline:
  the board outline again, w10
Fabrication:
  drawing of 191 lines, arcs and shapes, not listed
  text "Layer" at 4567.5,3141 h60
  text "Name" at 4977.41,3141 h60
  text "Material" at 5907.16,3141 h60
  text "Thickness" at 6766.92,3141 h60
  text "Constant" at 7416.76,3141 h60
  text "Board Layer Stack" at 7986.62,3141 h60
  text "Top Overlay" at 4977.41,3021 h60
  text "Top Solder" at 4977.41,2901 h60
  text "Solder Resist" at 5907.16,2901 h60
  text "3.00mil" at 6766.92,2901 h60
  text "3.5" at 7416.76,2901 h60
  text "1" at 4567.5,2781 h60
  text "Top Layer" at 4977.41,2781 h60
  text "10.00mil" at 6766.92,2781 h60
  text "Dielectric 1" at 4977.41,2661 h60
  text "FR-4" at 5907.16,2661 h60
  text "37.00mil" at 6766.92,2661 h60
  text "4.6" at 7416.76,2661 h60
  text "2" at 4567.5,2541 h60
  text "Bottom Layer" at 4977.41,2541 h60
  text "10.00mil" at 6766.92,2541 h60
  text "Bottom Solder" at 4977.41,2421 h60
  text "Solder Resist" at 5907.16,2421 h60
  text "3.00mil" at 6766.92,2421 h60
  text "3.5" at 7416.76,2421 h60
  text "Bottom Overlay" at 4977.41,2301 h60
  text "Total board thickness:" at 4567.5,2181 h60
  text "63.00mil" at 6766.92,2181 h60
Mechanical 15:
  lines w10: -0.43,313.56 3346.02,313.56 3346.02,2478.92 -0.43,2478.92 -0.43,313.56 ; 1623.63,1002.54 3346.07,1002.54 3346.07,1789.94 1623.63,1789.94 1623.63,1002.54 ; 2283.03,1002.54 3346.02,1002.54 3346.02,1317.5 2283.03,1317.5 2283.03,1002.54
Drill Drawing:
  circle w10: c97.62,4792.27 r33.33
  circle w10: c97.62,4042.28 r20
  circle w10: c97.62,4042.28 r33.33
  lines w10: 64.29,3925.61 130.96,3925.61 97.62,3858.94 64.29,3925.61 ; 64.29,4158.94 64.29,4175.61 80.96,4192.27 64.29,4208.94 64.29,4225.61 80.96,4225.61 97.62,4208.94 114.29,4225.61 130.96,4225.61 130.96,4208.94 114.29,4192.27 130.96,4175.61 130.96,4158.94 114.29,4158.94 97.62,4175.61 80.96,4158.94 64.29,4158.94 ; 64.29,4308.94 130.96,4308.94 130.96,4375.61 64.29,4375.61 64.29,4308.94 ; 64.29,4475.61 80.96,4475.61 97.62,4458.94 114.29,4475.61 130.96,4475.61 114.29,4492.27 130.96,4508.94 114.29,4508.94 97.62,4525.61 80.96,4508.94 64.29,4508.94 80.96,4492.27 64.29,4475.61 ; 64.29,4608.94 130.96,4608.94 130.96,4675.61 64.29,4675.61 64.29,4608.94 ; 64.29,4942.27 97.62,4908.94 130.96,4942.27 97.62,4975.61 64.29,4942.27 ; 64.29,5075.61 80.96,5075.61 80.96,5058.94 114.29,5058.94 114.29,5075.61 130.96,5075.61 130.96,5108.94 114.29,5108.94 114.29,5125.61 80.96,5125.61 80.96,5108.94 64.29,5108.94 64.29,5075.61 ; 64.29,5208.94 97.62,5225.61 130.96,5208.94 114.29,5242.27 130.96,5275.61 97.62,5258.94 64.29,5275.61 80.96,5242.27 64.29,5208.94 ; 64.29,5375.61 80.96,5375.61 97.62,5358.94 114.29,5375.61 130.96,5375.61 114.29,5392.27 130.96,5408.94 114.29,5408.94 97.62,5425.61 80.96,5408.94 64.29,5408.94 80.96,5392.27 64.29,5375.61 ; 64.29,5575.61 130.96,5575.61 97.62,5508.94 64.29,5575.61 ; 77.62,3912.28 117.62,3912.28 97.62,3872.28 77.62,3912.28 ; 77.62,4482.27 87.62,4482.27 97.62,4472.27 107.62,4482.27 117.62,4482.27 107.62,4492.27 117.62,4502.27 107.62,4502.27 97.62,4512.27 87.62,4502.27 77.62,4502.27 87.62,4492.27 77.62,4482.27 ; 77.62,4622.27 117.62,4622.27 117.62,4662.27 77.62,4662.27 77.62,4622.27
  lines w15: 4.5,3813.94 13532.68,3813.94 ; 4.5,5613.94 13532.68,5613.94 ; 555.38,3663.94 555.38,5763.94 ; 1155.22,3663.94 1155.22,5763.94 ; 2304.88,3663.94 2304.88,5763.94 ; 2810.76,3663.94 2810.76,5763.94 ; 3544.56,3663.94 3544.56,5763.94 ; 5044.11,3663.94 5044.11,5763.94 ; 5633.96,3663.94 5633.96,5763.94 ; 6379.76,3663.94 6379.76,5763.94 ; 7519.42,3663.94 7519.42,5763.94 ; 8373.19,3663.94 8373.19,5763.94 ; 9706.79,3663.94 9706.79,5763.94 ; 11040.4,3663.94 11040.4,5763.94 ; 12130.08,3663.94 12130.08,5763.94 ; 4.5,3663.94 13532.68,3663.94 13532.68,5763.94 4.5,5763.94 4.5,3663.94
  text "Symbol" at 94.5,5658.94 h72
  text "Count" at 600.38,5658.94 h72
  text "Hole Size" at 1200.22,5658.94 h72
  text "Plated" at 2349.88,5658.94 h72
  text "Hole Type" at 2855.76,5658.94 h72
  text "Drill Layer Pair" at 3589.56,5658.94 h72
  text "Via/Pad" at 5089.11,5658.94 h72
  text "Pad Shape" at 5678.96,5658.94 h72
  text "Template" at 6424.76,5658.94 h72
  text "Description" at 7564.42,5658.94 h72
  text "Hole Tolerance (+)" at 8418.19,5658.94 h72
  text "Hole Tolerance (-)" at 9751.79,5658.94 h72
  text "Hole Length" at 11085.4,5658.94 h72
  text "Routed Path Length" at 12175.08,5658.94 h72
  text "1" at 600.38,5508.94 h60
  text "82.68mil (2.100mm)" at 1200.22,5508.94 h60
  text "NPTH" at 2349.88,5508.94 h60
  text "Round" at 2855.76,5508.94 h60
  text "Top Layer - Bottom Layer" at 3589.56,5508.94 h60
  text "Pad" at 5089.11,5508.94 h60
  text "Rounded" at 5678.96,5508.94 h60
  text "c0hn210m5" at 6424.76,5508.94 h60
  text "-" at 11085.4,5508.94 h60
  text "-" at 12175.08,5508.94 h60
  text "2" at 600.38,5358.94 h60
  text "23.62mil (0.600mm)" at 1200.22,5358.94 h60
  text "PTH" at 2349.88,5358.94 h60
  text "Slot" at 2855.76,5358.94 h60
  text "Top Layer - Bottom Layer" at 3589.56,5358.94 h60
  text "Pad" at 5089.11,5358.94 h60
  text "Rounded" at 5678.96,5358.94 h60
  text "r90_170h60_140r100" at 6424.76,5358.94 h60
  text "55.12mil (1.400mm)" at 11085.4,5358.94 h60
  text "31.50mil (0.800mm)" at 12175.08,5358.94 h60
  text "2" at 600.38,5208.94 h60
  text "23.62mil (0.600mm)" at 1200.22,5208.94 h60
  text "PTH" at 2349.88,5208.94 h60
  text "Slot" at 2855.76,5208.94 h60
  text "Top Layer - Bottom Layer" at 3589.56,5208.94 h60
  text "Pad" at 5089.11,5208.94 h60
  text "Rounded" at 5678.96,5208.94 h60
  text "(Mixed)" at 6424.76,5208.94 h60
  text "66.93mil (1.700mm)" at 11085.4,5208.94 h60
  text "43.31mil (1.100mm)" at 12175.08,5208.94 h60
  text "2" at 600.38,5058.94 h60
  text "24.41mil (0.620mm)" at 1200.22,5058.94 h60
  text "NPTH" at 2349.88,5058.94 h60
  text "Round" at 2855.76,5058.94 h60
  text "Top Layer - Bottom Layer" at 3589.56,5058.94 h60
  text "Pad" at 5089.11,5058.94 h60
  text "Rounded" at 5678.96,5058.94 h60
  text "c0hn62" at 6424.76,5058.94 h60
  text "-" at 11085.4,5058.94 h60
  text "-" at 12175.08,5058.94 h60
  text "2" at 600.38,4908.94 h60
  text "40.16mil (1.020mm)" at 1200.22,4908.94 h60
  text "NPTH" at 2349.88,4908.94 h60
  text "Round" at 2855.76,4908.94 h60
  text "Top Layer - Bottom Layer" at 3589.56,4908.94 h60
  text "Pad" at 5089.11,4908.94 h60
  text "Rounded" at 5678.96,4908.94 h60
  text "c0hn102" at 6424.76,4908.94 h60
  text "-" at 11085.4,4908.94 h60
  text "-" at 12175.08,4908.94 h60
  text "3" at 600.38,4758.94 h60
  text "39.37mil (1.000mm)" at 1200.22,4758.94 h60
  text "PTH" at 2349.88,4758.94 h60
  text "Slot" at 2855.76,4758.94 h60
  text "Top Layer - Bottom Layer" at 3589.56,4758.94 h60
  text "Pad" at 5089.11,4758.94 h60
  text "Rectangle" at 5678.96,4758.94 h60
  text "(Mixed)" at 6424.76,4758.94 h60
  text "86.61mil (2.200mm)" at 11085.4,4758.94 h60
  text "47.24mil (1.200mm)" at 12175.08,4758.94 h60
  text "4" at 600.38,4608.94 h60
  text "51.18mil (1.300mm)" at 1200.22,4608.94 h60
  text "PTH" at 2349.88,4608.94 h60
  text "Round" at 2855.76,4608.94 h60
  text "Top Layer - Bottom Layer" at 3589.56,4608.94 h60
  text "Pad" at 5089.11,4608.94 h60
  text "Rounded" at 5678.96,4608.94 h60
  text "c200h130" at 6424.76,4608.94 h60
  text "-" at 11085.4,4608.94 h60
  text "-" at 12175.08,4608.94 h60
  text "4" at 600.38,4458.94 h60
  text "125.98mil (3.200mm)" at 1200.22,4458.94 h60
  text "NPTH" at 2349.88,4458.94 h60
  text "Round" at 2855.76,4458.94 h60
  text "Top Layer - Bottom Layer" at 3589.56,4458.94 h60
  text "Pad" at 5089.11,4458.94 h60
  text "Rectangle" at 5678.96,4458.94 h60
  text "s0hn320" at 6424.76,4458.94 h60
  text "-" at 11085.4,4458.94 h60
  text "-" at 12175.08,4458.94 h60
  text "5" at 600.38,4308.94 h60
  text "62.99mil (1.600mm)" at 1200.22,4308.94 h60
  text "PTH" at 2349.88,4308.94 h60
  text "Round" at 2855.76,4308.94 h60
  text "Top Layer - Bottom Layer" at 3589.56,4308.94 h60
  text "Pad" at 5089.11,4308.94 h60
  text "Rounded" at 5678.96,4308.94 h60
  text "c280h160" at 6424.76,4308.94 h60
  text "-" at 11085.4,4308.94 h60
  text "-" at 12175.08,4308.94 h60
  text "6" at 600.38,4158.94 h60
  text "35.43mil (0.900mm)" at 1200.22,4158.94 h60
  text "PTH" at 2349.88,4158.94 h60
  text "Round" at 2855.76,4158.94 h60
  text "Top Layer - Bottom Layer" at 3589.56,4158.94 h60
  text "Pad" at 5089.11,4158.94 h60
  text "(Mixed)" at 5678.96,4158.94 h60
  text "(Mixed)" at 6424.76,4158.94 h60
  text "-" at 11085.4,4158.94 h60
  text "-" at 12175.08,4158.94 h60
  text "6" at 600.38,4008.94 h60
  text "39.37mil (1.000mm)" at 1200.22,4008.94 h60
  text "PTH" at 2349.88,4008.94 h60
  text "Round" at 2855.76,4008.94 h60
  text "Top Layer - Bottom Layer" at 3589.56,4008.94 h60
  text "Pad" at 5089.11,4008.94 h60
  text "(Mixed)" at 5678.96,4008.94 h60
  text "(Mixed)" at 6424.76,4008.94 h60
  text "-" at 11085.4,4008.94 h60
  text "-" at 12175.08,4008.94 h60
  text "171" at 600.38,3858.94 h60
  text "11.81mil (0.300mm)" at 1200.22,3858.94 h60
  text "PTH" at 2349.88,3858.94 h60
  text "Round" at 2855.76,3858.94 h60
  text "Top Layer - Bottom Layer" at 3589.56,3858.94 h60
  text "Via" at 5089.11,3858.94 h60
  text "Rounded" at 5678.96,3858.94 h60
  text "v60h30" at 6424.76,3858.94 h60
  text "-" at 11085.4,3858.94 h60
  text "-" at 12175.08,3858.94 h60
  text "208 Total" at 600.38,3708.94 h60
  text "Slot definitions :" at 94.5,3563.97 h60
  text "Routed Path Length" at 1127.19,3563.97 h60
  text "= Calculated from tool start centre position to tool end centre position." at 2229.86,3563.97 h60
  text "Hole Length" at 1127.19,3463.99 h60
  text "= Routed Path Length + Tool Size = Slot length as defined in the PCB layout" at 1819.99,3463.99 h60

## Dimensions
3346.46,2559.06 to 3346.46,0 on Board Outline
0,2559.06 to 3346.46,2559.06 on Board Outline

## Text inside footprints (layer, text, board x,y; h text height)
J2: Mechanical 13 "PCB Edge" at 421.11,21.95 h31.5
J4: Top Overlay "PCB Edge" at 3322.35,406.13 h39.37 r90
J7: Top Overlay "40" at 1858,1757 h30 r90; Top Overlay "1" at 1854,1009 h30 r90; Mechanical 13 "PCB Edge" at 1980.98,1350.87 h31.5 r90
J8: Mechanical 13 "PCB Edge" at 2373.06,1032.39 h23.62 r90
SW1: Top Overlay "Board Edge" at 66.4,1462.68 h30 r90
SW4: Top Overlay "Board Edge" at 1966.12,2529.82 h20 r180
SW5: Top Overlay "Board Edge" at 1585.04,2530.02 h20 r180